# Altium PCB NBIOT水表主板.PcbDoc
Units mm, origin at the board's own origin, x right, y up, seen from the top; angles counter-clockwise.
Board outline 69.48 x 56.27 mm, 2 copper layers (Top Layer, Bottom Layer); 71 components, 78 nets, 310 pads, 175 vias.
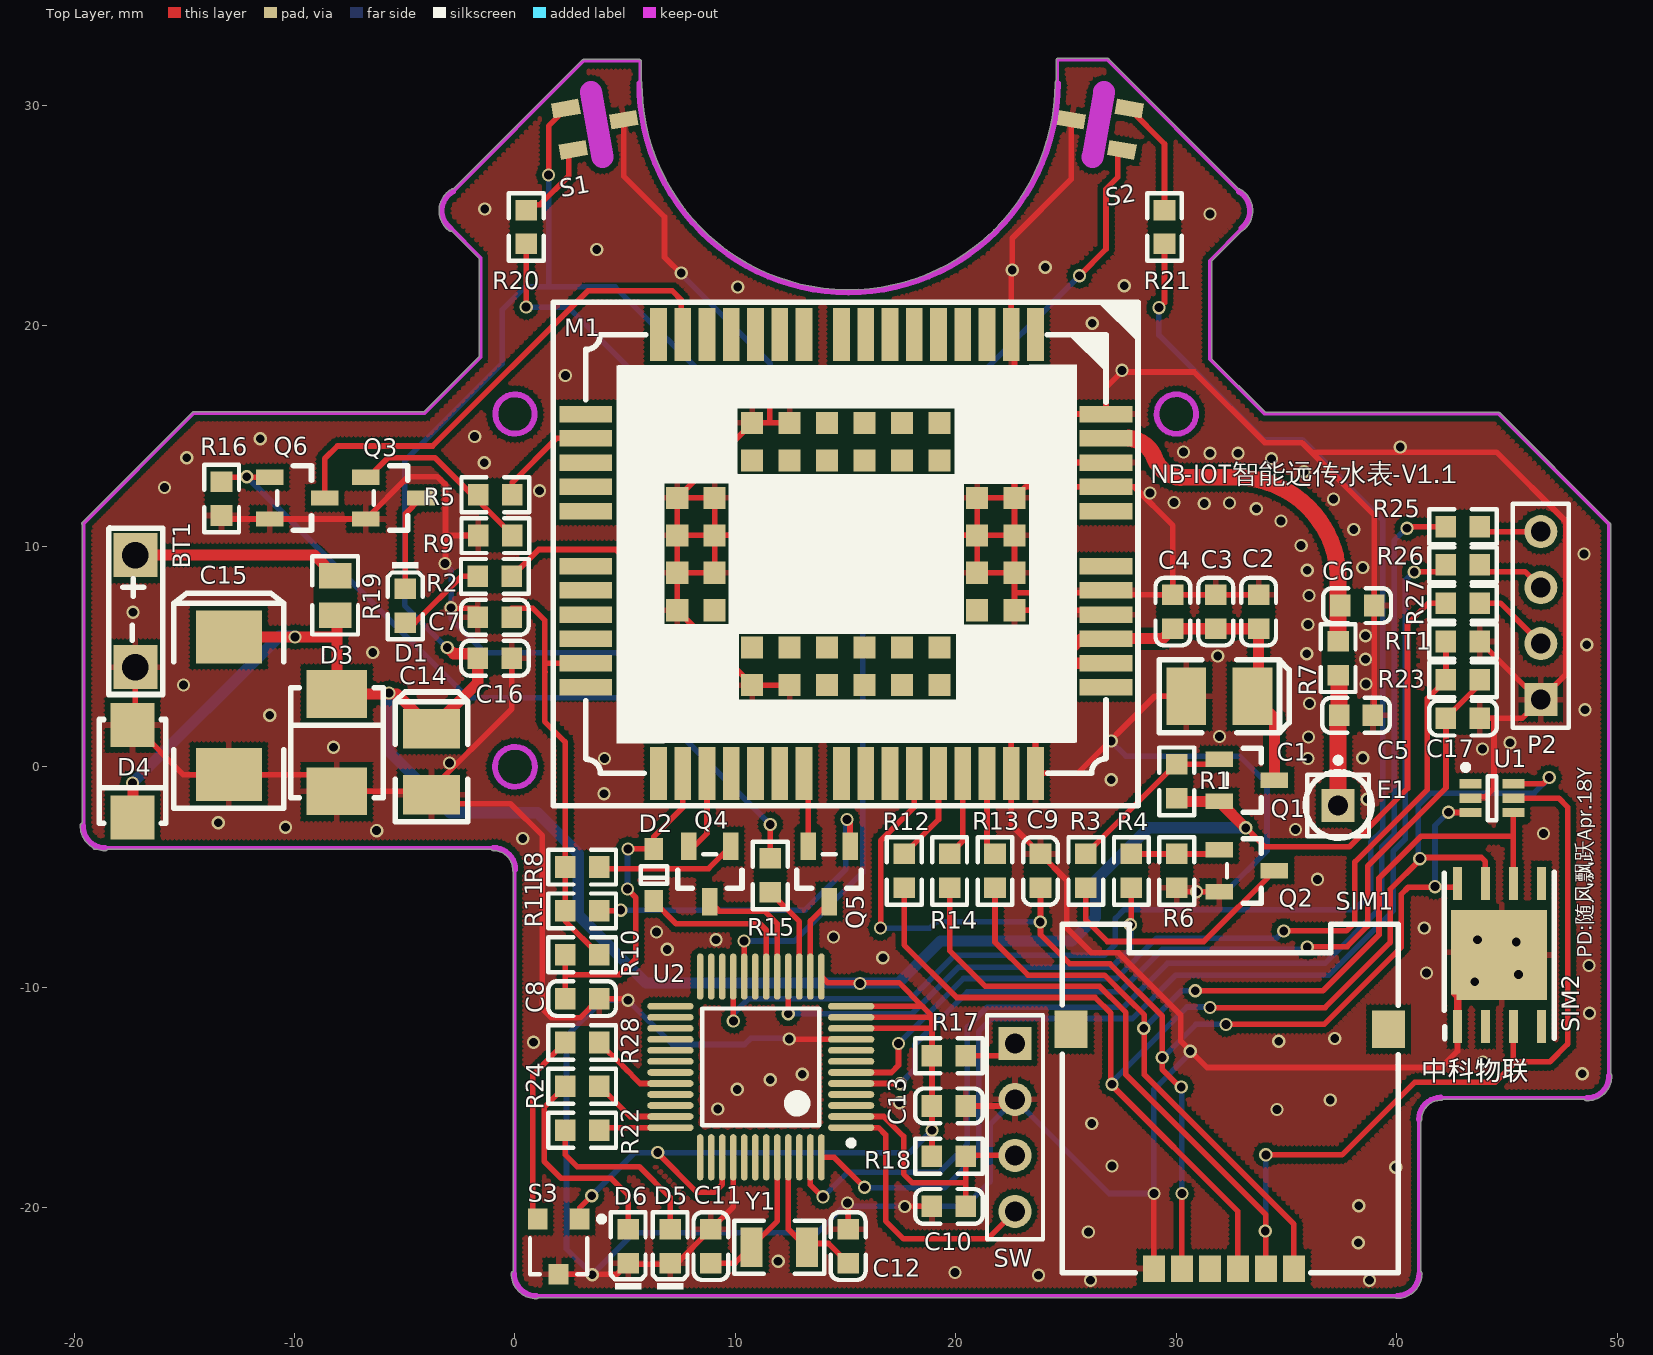
[diagram p0: Top Layer view]
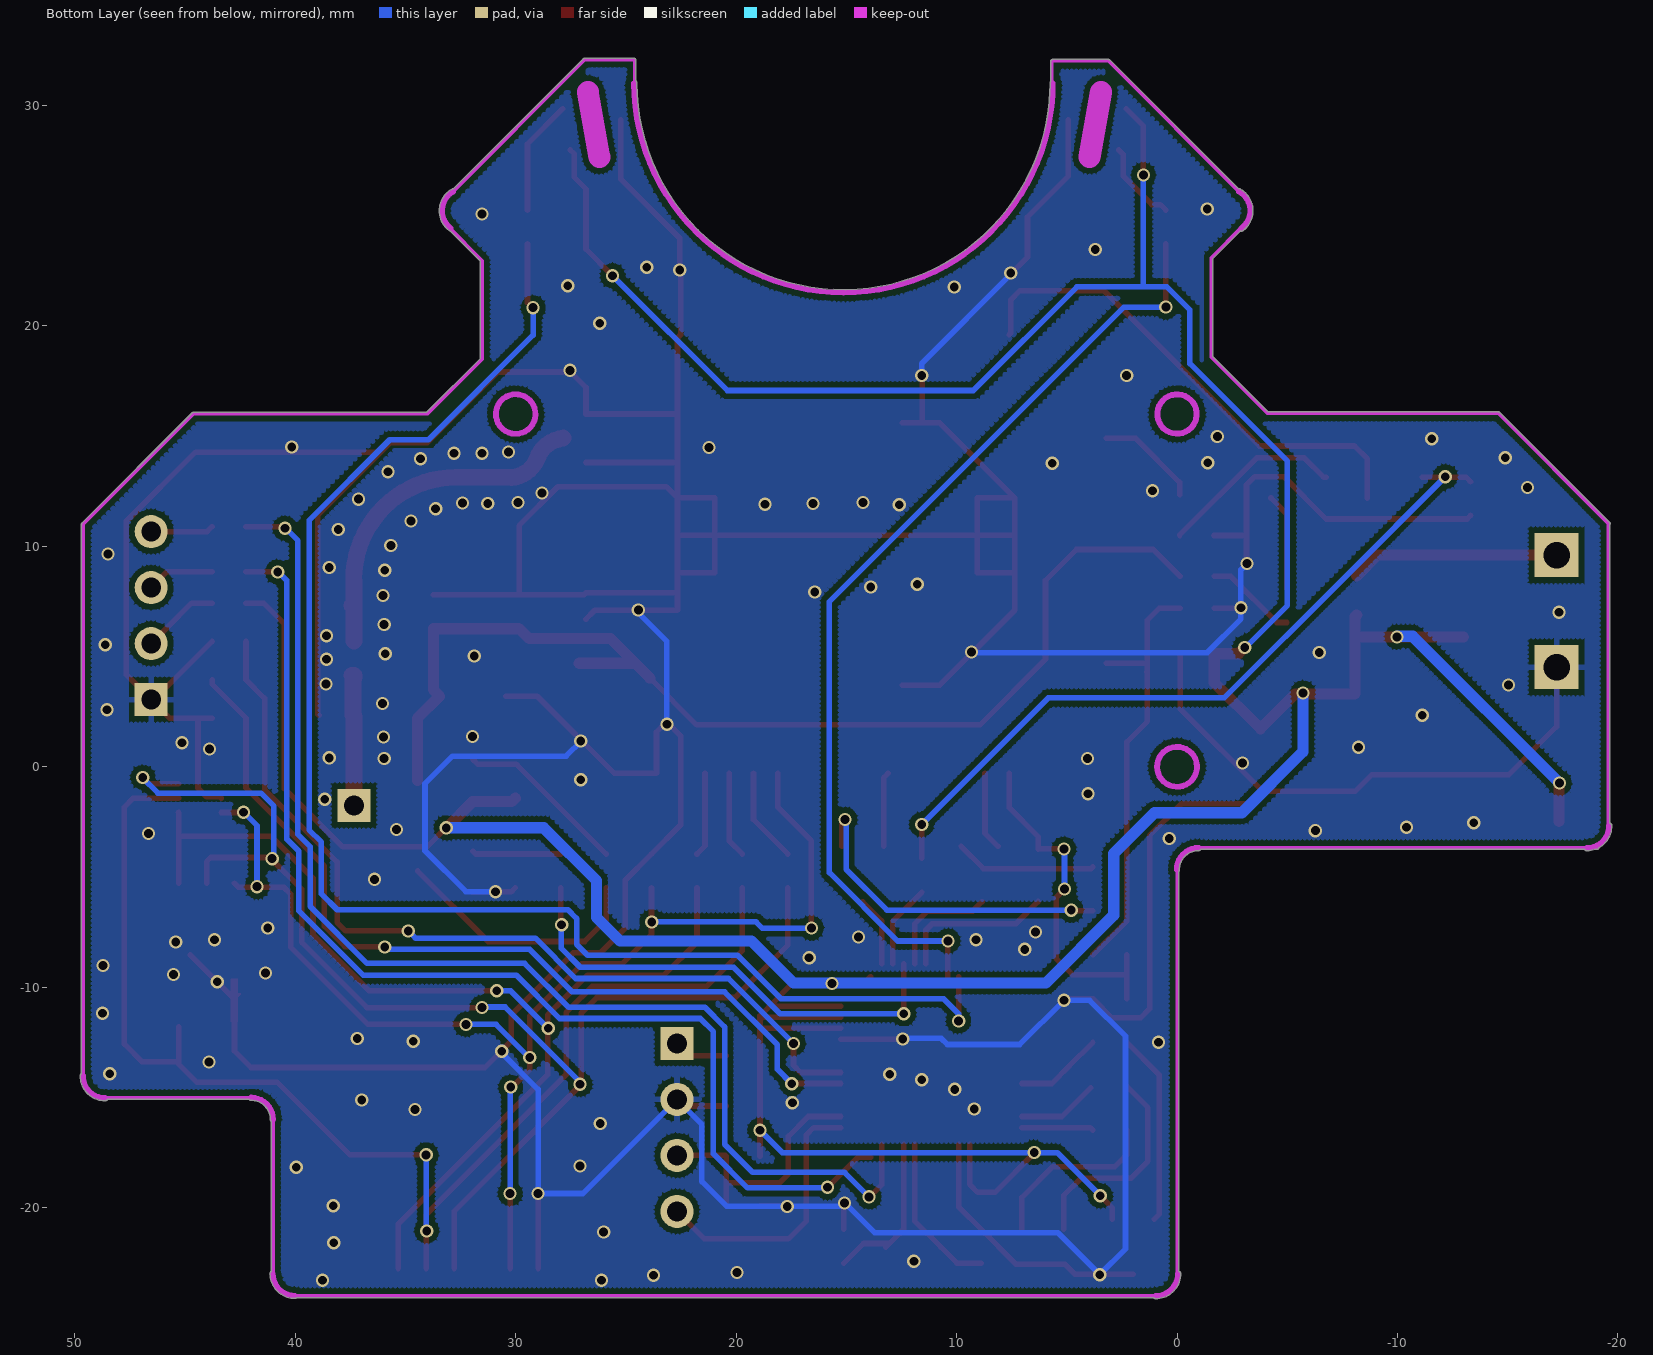
[diagram p1: Bottom Layer view, seen from below]
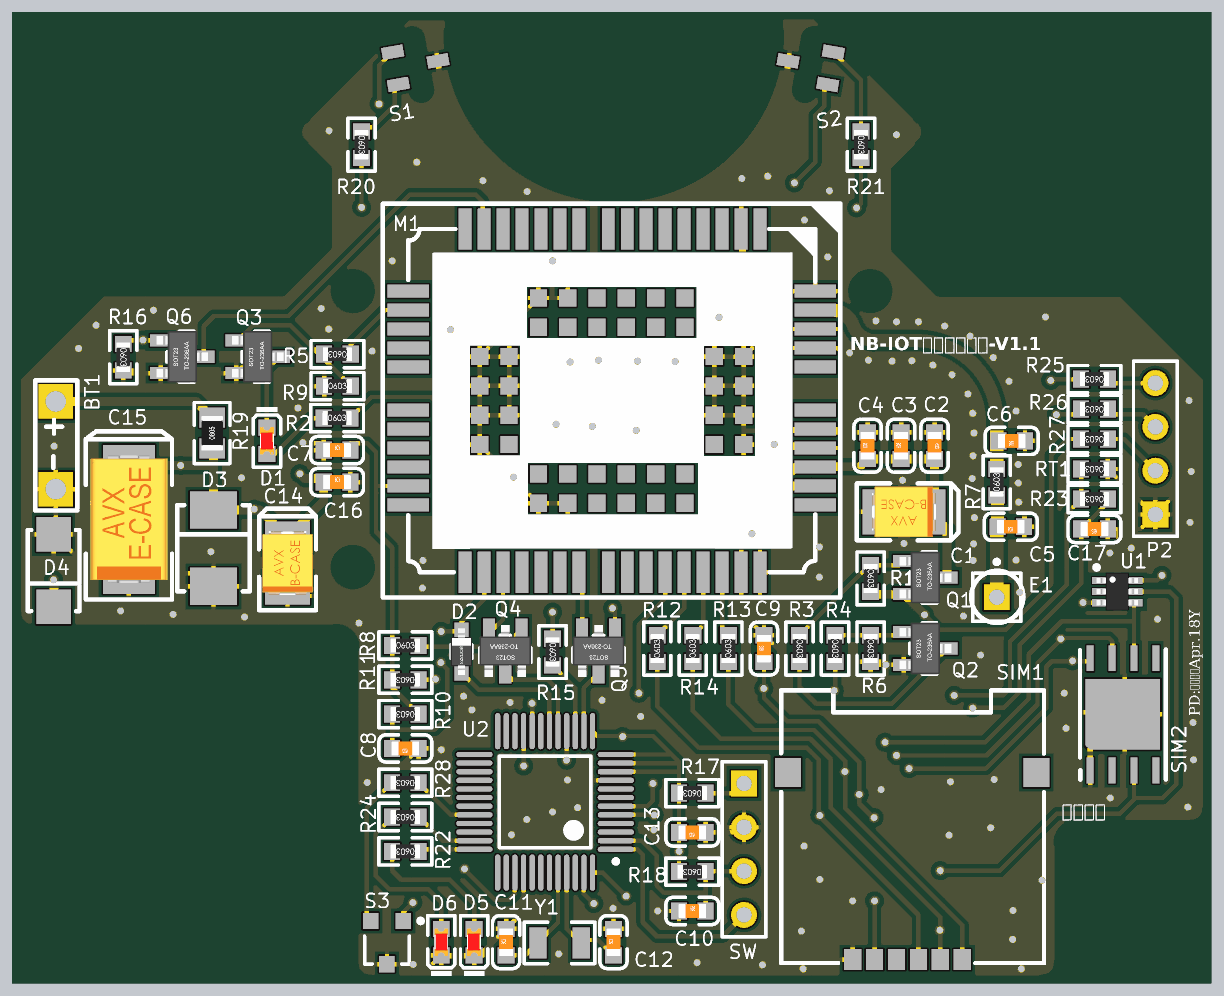
[diagram p2: 3D render of the assembled board from above, using the file's embedded part models]

## Layer stack, top to bottom
Top Layer: signal copper 0.0356
Dielectric: dielectric 0.32, FR-4, Dk 4.8
Bottom Layer: signal copper 0.0356

## Board outline
-19.059,-3.748 -18.951,-3.748 ccw(c-18.595,-2.679) -18.595,-3.806 ccw(c-18.595,-3.679) -18.488,-3.748 -1.081,-3.748 ccw(c-0.979,-3.672) -0.979,-3.799 cw(c-0.979,-4.672) -0.106,-4.672 ccw(c0.021,-4.672) -0.077,-4.753 -0.077,-22.878 ccw(c-0.037,-22.999) -0.164,-22.999 ccw(c0.963,-22.999) 0.963,-24.126 ccw(c0.963,-23.999) 1.064,-24.077 39.924,-24.077 ccw(c40.017,-23.989) 40.017,-24.116 ccw(c40.017,-22.989) 41.144,-22.989 ccw(c41.017,-22.989) 41.077,-22.877 41.077,-16.102 ccw(c41,-16) 41.127,-16 cw(c42,-16) 42,-15.127 ccw(c42,-15) 42.102,-15.077 48.512,-15.077 ccw(c48.627,-15.023) 48.627,-15.15 ccw(c48.627,-14.023) 49.755,-14.023 ccw(c49.627,-14.023) 49.696,-13.915 49.696,11.002 ccw(c49.619,11.002) 49.673,11.056 44.673,16.056 ccw(c44.619,16.002) 44.619,16.079 34.042,16.079 31.598,18.523 31.598,22.93 32.97,24.302 ccw(c32.943,24.427) 33.02,24.325 ccw(c32.34,25.224) 33.467,25.224 ccw(c32.34,25.224) 32.898,26.204 ccw(c32.835,26.093) 32.817,26.219 26.945,32.092 ccw(c26.873,32.064) 26.886,32.14 ccw(c26.86,32.067) 26.838,32.141 24.631,32.141 ccw(c24.631,32.064) 24.555,32.056 ccw(c24.613,32.029) 24.549,32.029 24.549,31.111 ccw(c24.631,31.013) 24.503,31.013 cw(c15.131,31.013) 5.765,30.668 ccw(c5.715,30.709) 5.779,30.709 ccw(c5.715,30.709) 5.762,30.752 cw(c15.131,31.013) 5.758,31.013 ccw(c5.631,31.013) 5.728,31.096 5.728,32.004 ccw(c5.664,32.004) 5.689,32.063 ccw(c5.631,32.013) 5.631,32.09 3.124,32.09 ccw(c3.124,32.013) 3.085,32.079 ccw(c3.099,32.004) 3.045,32.058 -2.794,26.219 ccw(c-2.812,26.093) -2.875,26.204 ccw(c-2.317,25.224) -2.997,24.325 ccw(c-2.921,24.427) -2.876,24.307 -1.626,23.057 -1.626,18.599 -4.121,16.104 -14.571,16.104 ccw(c-14.571,16.027) -14.625,16.081 -14.625,16.082 -19.625,11.082 ccw(c-19.571,11.027) -19.635,10.985 -19.635,-2.558 ccw(c-19.595,-2.679) -19.722,-2.679 ccw(c-18.595,-2.679) -19.135,-3.668 ccw(c-19.059,-3.672)

## Design rules (kind name [scope] priority, off if disabled: settings)
Clearance [All] p1: gap=0.254
PolygonConnect Val [isvia] p1: connectstyle=Direct reliefconductorwidth=0.254 reliefentries=4 polygonreliefangle="90 Angle"
PolygonConnect [All] p2: connectstyle=Relief reliefconductorwidth=0.254 reliefentries=4 polygonreliefangle="90 Angle"
RoutingVias [All] p1: holewidth=0.711 width=1.27 viastyle="Through Hole" minholewidth=0.3 minwidth=0.4 maxholewidth=0.711 maxwidth=1.27
SilkscreenOverComponentPads SilkToSolderMaskClearance [IsPad] p1: minsilkscreentomaskgap=0.254
SolderMaskExpansion [All] p1: expansion=0.102
TestPointUsage FabricationTestPointUsage [All] p1: valid=0 allowmultiple=FALSE
Testpoint FabricationTestpoint [All] p1: side=3 testpointundercomponent=TRUE minsize=1.016 maxsize=2.54 preferedsize=1.524 minholesize=0 maxholesize=1.016 preferedholesize=0.813 testpointgrid=0.025 style=297 order=0123456789
Width [All] p1: maxlimit=2.54 minlimit=0.254 preferedwidth=0.254
23 further rules are at their usual default settings.

## Classes and differential pairs
component class NBBC95水表: BT1 C14 C15 C16 C17 D3 D4 D5 D6 M? P2 R19 R20 R21 R22 R23 R24 R25 R26 R27 R28 RT1 S1 S2 S3
component class MCU: C10 C11 C12 C13 R17 R18 SW U2 Y1
component class NB-IOT: C1 C2 C3 C4 C5 C6 C7 C8 C9 D1 D2 E1 M1 Q1 Q2 Q3 Q4 Q5 Q6 R1 R2 R3 R4 R5 R6 R7 R8 R9 R10 R11 R12 R13 R14 R15 R16 SIM1 SIM2 U1

## Components (designator, comment, footprint, x,y, rotation, side; value= is the part's Value field where it differs from the comment)
BT1 "3.6V" 电池连接焊线 -17.221,9.601 r270 top
C1 "100uF (107) ±10% 6.3V" CASE-B_3528 31.953,3.2 r0 top
C2 "100nF (104) 10% 50V" 0603_C 33.731,7.036 r90 top
C3 "100pF (101) 5% 50V" 0603_C 31.788,7.036 r270 top
C4 "22pF (220) 5% 50V" 0603_C 29.845,7.036 r270 top
C5 "Reserved" 0603_C 38.151,2.337 r180 top
C6 "Reserved" 0603_C 38.202,7.315 r180 top
C7 "4.7uF (475) 10% 16V" 0603_C -0.914,6.782 r0 top
C8 "1nF (102) 10% 50V" 0603_C 3.048,-10.516 r180 top
C9 "100nF (104) 10% 50V" 0603_C 23.838,-4.724 r270 top
C10 "100nF (104) 10% 50V" 0603_C 19.685,-19.939 r0 top
C11 "6.8pF (6R8) 0.25pF 50V" 0603_C 8.89,-21.742 r270 top
C12 "6.8pF (6R8) 0.25pF 50V" 0603_C 15.113,-21.742 r270 top
C13 "100nF (104) 10% 50V" 0603_C 19.685,-15.384 r180 top
C14 "100uF (107) ±10% 6.3V" CASE-B_3528 -3.785,0.229 r90 top
C15 "470uF / 10V" CASE-E_7343 -12.979,2.769 r90 top
C16 "100nF (104) 10% 50V" 0603_C -0.914,4.928 r0 top
C17 "22pF (220) 5% 50V" 0603_C 43.002,2.21 r180 top
D1 "红灯 0603" 0603_LED_S1 -4.978,7.315 r270 top
D2 "1N4148WS T4" SOD-323 6.299,-4.902 r90 top
D3 "P6SMB6.8CA" SMB(DO-214AA)_S1 -8.077,1.092 r270 top
D4 "SS54" SMA(DO-214AC)_S1 -17.348,-0.203 r90 top
D5 "黄灯 0603" 0603_LED_S1 7.036,-21.742 r90 top
D6 "绿灯 0603" 0603_LED_S1 5.131,-21.742 r90 top
E1 "Antenna" PIN1 37.338,-1.753 r0 top
M1 "BC95-B5" BC95-B 15.011,9.652 r270 top
P2 "Header 4" HDR1X4 46.533,3.048 r90 top
Q1 "SI2301CDS-T1-GE3" SOT-23(SOT-23-3) 33.198,-0.61 r180 top
Q2 "SS8050 Y1" SOT-23(SOT-23-3) 33.198,-4.722 r180 top
Q3 "SS8050 Y1" SOT-23(SOT-23-3) -5.512,12.192 r180 top
Q4 "SS8050 Y1" SOT-23(SOT-23-3) 8.839,-4.862 r90 top
Q5 "SS8050 Y1" SOT-23(SOT-23-3) 14.249,-4.862 r90 top
Q6 "SS8050 Y1" SOT-23(SOT-23-3) -9.881,12.192 r180 top
R1 "470KΩ (4703) ±1%" 0603_R 30.023,-0.66 r90 top
R2 "2.2KΩ (2201) ±1%" 0603_R -0.914,8.636 r0 top
R3 "330Ω (3300) ±1%" 0603_R 25.9,-4.724 r90 top
R4 "4.7KΩ (4701) ±1%" 0603_R 27.961,-4.724 r90 top
R5 "4.7KΩ (4701) ±1%" 0603_R -0.889,12.344 r180 top
R6 "47KΩ (4702) ±1%" 0603_R 30.023,-4.724 r90 top
R7 "0Ω (0R0) ±1%" 0603_R 37.338,4.928 r270 top
R8 "4.7KΩ (4701) ±1%" 0603_R 3.048,-4.547 r0 top
R9 "47KΩ (4702) ±1%" 0603_R -0.889,10.49 r0 top
R10 "10KΩ (1002) ±1%" 0603_R 3.048,-8.526 r180 top
R11 "4.7KΩ (4701) ±1%" 0603_R 3.048,-6.536 r180 top
R12 "22Ω (22R0) ±1%" 0603_R 17.653,-4.724 r270 top
R13 "22Ω (22R0) ±1%" 0603_R 21.776,-4.724 r270 top
R14 "22Ω (22R0) ±1%" 0603_R 19.715,-4.724 r270 top
R15 "4.7KΩ (4701) ±1%" 0603_R 11.582,-4.927 r90 top
R16 "47KΩ (4702) ±1%" 0603_R -13.31,12.169 r90 top
R17 "1KΩ (1001) ±1%" 0603_R 19.685,-13.106 r180 top
R18 "47KΩ (4702) ±1%" 0603_R 19.685,-17.661 r180 top
R19 "0Ω (0R0) ±1%" 0805_R -8.153,7.772 r270 top
R20 "1KΩ (1001) ±1%" 0603_R 0.508,24.486 r90 top
R21 "1KΩ (1001) ±1%" 0603_R 29.464,24.486 r90 top
R22 "2.2KΩ (2201) ±1%" 0603_R 3.048,-16.485 r180 top
R23 "10KΩ (1002) ±1%" 0603_R 43.002,3.947 r180 top
R24 "2.2KΩ (2201) ±1%" 0603_R 3.048,-14.495 r180 top
R25 "1KΩ (1001) ±1%" 0603_R 43.002,10.897 r180 top
R26 "1KΩ (1001) ±1%" 0603_R 43.002,9.159 r180 top
R27 "1KΩ (1001) ±1%" 0603_R 43.002,7.422 r180 top
R28 "1KΩ (1001) ±1%" 0603_R 3.048,-12.505 r180 top
RT1 "NCP18XH103F03RB" 0603_R 43.002,5.685 r180 top
S1 "Hall" 霍尔转接板 3.708,29.134 r190 top
S2 "Hall" 霍尔转接板 26.467,29.134 r350 top
S3 "S5712BCDL1-M3T1-U" SOT-23 1.981,-21.768 r180 top
SIM1 "MicroSIM" SIM-01A 28.981,-22.758 r0 top
SIM2 "SMDSIM" VQFN48 44.577,-8.534 r90 top
SW "Header 4" HDR1X4 22.682,-12.548 r270 top
U1 "SMF05CT1G" SC-70-6(SOT-363) 44.323,-1.422 r0 top
U2 "STM8L151C8T6" LQFP48_M 11.151,-13.614 r180 top
Y1 "32.768KHz ±20ppm 12.5pF" "SMD-3215_2P FC - 135" 11.989,-21.788 r180 top

## Footprints (in the part's own frame and the unit in brackets; to place one, negate y for a bottom-side part, rotate by r counter-clockwise, add the part's x,y. Pads: shape width x height; smd on the part's side, far side on the other; paste and mask are expansions set on the pad)
0603_C [mm]
  rect 0.93x0.98 smd: 1(-0.77,0) 2(0.77,0)
  silkscreen extent -1.53,-0.79 1.54,0.79, body extent -0.8,-0.4 0.8,0.4, height 0.3
0603_LED_S1 [mm]
  rect 0.93x0.98 smd: A(0.77,0) K(-0.77,0)
  silkscreen extent -1.98,-0.79 1.54,0.79, body extent -0.8,-0.4 0.8,0.4, height 0.6
0603_R [mm]
  rect 0.93x0.98 smd: 1(-0.77,0) 2(0.77,0)
  silkscreen extent -1.53,-0.79 1.54,0.79, body extent -0.85,-0.4 0.85,0.4, height 0.56
0805_R [mm]
  rect 1.16x1.47 smd: 1(-0.89,0) 2(0.89,0)
  silkscreen extent -1.77,-1.04 1.77,1.03, body extent -1,-0.62 1,0.63, height 0.49
BC95-B [mm] "BC95 NB-IOT模块"
  rect 2.4x0.75 smd: 1(-9.95,8.6) 2(-9.95,7.5) 3(-9.95,6.4) 4(-9.95,5.3) 5(-9.95,4.2) 6(-9.95,3.1) 7(-9.95,2) 8(-9.95,0.9) 9(-9.95,-0.2) 10(-9.95,-1.9) 11(-9.95,-3) 12(-9.95,-4.1) 13(-9.95,-5.2) 14(-9.95,-6.3) 15(-9.95,-7.4) 16(-9.95,-8.5) 28(9.95,-8.5) 29(9.95,-7.4) 30(9.95,-6.3) 31(9.95,-5.2) 32(9.95,-4.1) 33(9.95,-3) 34(9.95,-1.9) 35(9.95,-0.2) 36(9.95,0.9) 37(9.95,2) 38(9.95,3.1) 39(9.95,4.2) 40(9.95,5.3) 41(9.95,6.4) 42(9.95,7.5) 43(9.95,8.6)
  rect 0.75x2.4 smd: 17(-6.35,-11.8) 18(-5.25,-11.8) 19(-4.15,-11.8) 20(-3.05,-11.8) 21(-1.95,-11.8) 22(0.55,-11.8) 23(1.65,-11.8) 24(2.75,-11.8) 25(3.85,-11.8) 26(4.95,-11.8) 27(6.05,-11.8) 44(6.05,11.8) 45(4.95,11.8) 46(3.85,11.8) 47(2.75,11.8) 48(1.65,11.8) 49(0.55,11.8) 50(-1.95,11.8) 51(-3.05,11.8) 52(-4.15,11.8) 53(-5.25,11.8) 54(-6.35,11.8)
  rect 1x1 smd: 55(-5.95,4.25) 56(-5.95,2.55) 57(-5.95,0.85) 58(-5.95,-0.85) 59(-5.95,-2.55) 60(-5.95,-4.25) 61(-2.55,-7.65) 62(-0.85,-7.65) 63(0.85,-7.65) 64(2.55,-7.65) 65(5.95,-4.25) 66(5.95,-2.55) 67(5.95,-0.85) 68(5.95,0.85) 69(5.95,2.55) 70(5.95,4.25) 71(2.55,7.65) 72(0.85,7.65) 73(-0.85,7.65) 74(-2.55,7.65) 75(-4.25,4.25) 76(-4.25,2.55) 77(-4.25,0.85) 78(-4.25,-0.85) 79(-4.25,-2.55) 80(-4.25,-4.25) 81(-2.55,-5.95) 82(-0.85,-5.95) 83(0.85,-5.95) 84(2.55,-5.95) 85(4.25,-4.25) 86(4.25,-2.55) 87(4.25,-0.85) 88(4.25,0.85) 89(4.25,2.55) 90(4.25,4.25) 91(2.55,5.95) 92(0.85,5.95) 93(-0.85,5.95) 94(-2.55,5.95)
  silkscreen extent -11.43,-13.27 11.42,13.28
CASE-B_3528 [mm]
  rect 1.8x2.6 smd: 1(1.5,0) 2(-1.5,0)
  silkscreen extent -2.73,-1.65 3.16,1.65, body extent -1.85,-1.47 1.85,1.46, height 2.03
CASE-E_7343 [mm]
  rect 2.4x3 smd: 1(3.12,0) 2(-3.12,0)
  silkscreen extent -4.65,-2.5 5.1,2.5, body extent -3.7,-2.23 3.7,2.22, height 4.2
HDR1X4 [mm] "Connector; Header; 4 Position"
  rect 1.5x1.5 hole 0.9: 1(0,0)
  round 1.5 hole 0.9: 2(2.54,0) 3(5.08,0) 4(7.62,0)
  silkscreen extent -1.27,-1.27 8.89,1.27
LQFP48_M [mm] "Thin QFP, 48-Leads, Body 7x7mm, Pitch 0.5mm, IPC Low Density"
  oval 2.1x0.3 smd: 1(-4.1,2.75) 2(-4.1,2.25) 3(-4.1,1.75) 4(-4.1,1.25) 5(-4.1,0.75) 6(-4.1,0.25) 7(-4.1,-0.25) 8(-4.1,-0.75) 9(-4.1,-1.25) 10(-4.1,-1.75) 11(-4.1,-2.25) 12(-4.1,-2.75) 25(4.1,-2.75) 26(4.1,-2.25) 27(4.1,-1.75) 28(4.1,-1.25) 29(4.1,-0.75) 30(4.1,-0.25) 31(4.1,0.25) 32(4.1,0.75) 33(4.1,1.25) 34(4.1,1.75) 35(4.1,2.25) 36(4.1,2.75)
  oval 0.3x2.1 smd: 13(-2.75,-4.1) 14(-2.25,-4.1) 15(-1.75,-4.1) 16(-1.25,-4.1) 17(-0.75,-4.1) 18(-0.25,-4.1) 19(0.25,-4.1) 20(0.75,-4.1) 21(1.25,-4.1) 22(1.75,-4.1) 23(2.25,-4.1) 24(2.75,-4.1) 37(2.75,4.1) 38(2.25,4.1) 39(1.75,4.1) 40(1.25,4.1) 41(0.75,4.1) 42(0.25,4.1) 43(-0.25,4.1) 44(-0.75,4.1) 45(-1.25,4.1) 46(-1.75,4.1) 47(-2.25,4.1) 48(-2.75,4.1)
  silkscreen extent -4.23,-2.65 2.65,3.57, body extent -3.5,-3.5 3.5,3.5, height 1.6
PIN1 [mm] "Generic Antenna; 1 Lead"
  rect 1.5x1.5 hole 0.9: 1(0,0)
  silkscreen extent -1.4,-1.4 1.4,2.17
SC-70-6(SOT-363) [mm]
  rect 1x0.42 smd mask+0.051: 1(-0.97,0.65) 2(-0.97,0) 3(-0.97,-0.65) 4(0.97,-0.65) 5(0.97,0) 6(0.97,0.65)
  silkscreen extent -1.32,-1 0.2,1.52, body extent -1.2,-1.1 1.2,1.1, height 1.1
SIM-01A [mm] "MicroSIM翻盖 卡座"
  rect 1.5x1.7 smd: 0(-3.75,10.85) 0(10.65,10.85)
  rect 1x1.2 smd: 1(0,0) 2(1.27,0) 3(2.54,0) 4(3.81,0) 5(5.08,0) 6(6.35,0)
  silkscreen extent -4.15,-0.2 11.09,15.62
SMA(DO-214AC)_S1 [mm]
  rect 2x2 smd: 1(2.1,0) 2(-2.1,0)
  silkscreen extent -2.35,-1.5 2.35,1.5
SMB(DO-214AA)_S1 [mm]
  rect 2.159x2.743 smd: 1(2.21,0) 2(-2.21,0)
  silkscreen extent -2.5,-2.1 2.5,2.1
"SMD-3215_2P FC - 135" [mm]
  rect 1x1.8 smd: 1(-1.25,0) 2(1.25,0)
  silkscreen extent -2.05,-1.2 2.05,1.2
SOD-323 [mm]
  rect 1x0.83 smd: 1(1.18,0) 2(-1.18,0)
  silkscreen extent -0.4,-0.6 0.4,0.6, body extent -1.35,-0.62 1.35,0.63, height 1.1
SOT-23 [mm] "SOT-23; 3 Leads; Body 3.0 x 2.6 mm, inc. leads (LxW max)"
  rect 0.9x0.95 smd: 1(-0.95,-1.25) 2(0.95,-1.25) 3(0,1.25)
  silkscreen extent -2.08,-1.37 1.3,1.25
SOT-23(SOT-23-3) [mm]
  rect 1.25x0.7 smd: 1(1.25,-0.95) 2(1.25,0.95) 3(-1.25,0)
  silkscreen extent -0.65,-1.46 0.9,1.46, body extent -1.5,-1.5 1.5,1.5, height 1.3
VQFN48 [mm] "SMD卡封装"
  rect 1.5x0.4 smd: 1(-3.25,1.825) 2(-3.25,0.555) 3(-3.25,-0.715) 4(-3.25,-1.985) 5(3.25,-1.985) 6(3.25,-0.715) 7(3.25,0.555) 8(3.25,1.825)
  rect 4.1x4.1 smd: 1(0,-0.185)
  rect 3.85x0.25 smd: 1(0.125,1.985)
  Top Layer region: -2.05,1.865 -1.81,2.105 -1.71,2.105 -1.78,1.715
  silkscreen extent -3.79,-2.56 3.75,2.41
电池连接焊线 [mm]
  rect 2x2 hole 1.2: 1(0,0) 2(5.08,0)
  silkscreen extent -1.24,-1.2 6.32,1.25
霍尔转接板 [mm]
  rect 1.25x0.7 smd: 1(1.25,-0.95) 2(1.25,0.95) 3(-1.25,0)
  Keep-Out Layer lines w1: 0,-1.5 0,1.5

## Part data
BT1: library part Battery, "功率型锂电池"
C1 C14: library part "3528 100uF (107) 10% 6.3V", "钽电容"
C2 C9 C10 C13 C16: library part "0603 100nF (104) 10% 50V", "贴片电容"
C3: library part "0603 100pF (101) 5% 50V", "贴片电容"
C4 C5 C6 C17: library part "0603 22pF (220) 5% 50V", "贴片电容"
C7: library part "0603 4.7uF (475) 10% 16V", "贴片电容"
C8: library part "0603 1nF (102) 10% 50V", "贴片电容"
C11 C12: library part "0603 6.8pF (6R8) 0.25pF 50V", "贴片电容"
C15: library part "法拉电容 0.5F", "钽电容"
D1: library part "0603 红灯", "发光二极管"
D2: library part "SOD-323 1N4148WS T4", "二极管"
D3: library part "SMB/DO-214AA P6SMB6.8CA", "TVS"
D4: library part "SMA(DO-214AC) SS54", "二极管"
D5: library part "0603 黄灯", "发光二极管"
D6: library part "0603 绿灯", "发光二极管"
E1: "Generic Antenna"
M1: "NB-IOT模块 电信"
P2 SW: "Header, 4-Pin"
Q1: "MOS(场效应管)"
Q2 Q3 Q4 Q5 Q6: library part "SOT-23 SS8050 Y1", "三极管"
R1: library part "0603 470KΩ (4703) 1%", "贴片电阻"
R2 R22 R24: library part "0603 2.2KΩ (2201) 1%", "贴片电阻"
R3: library part "0603 330Ω (3300) 1%", "贴片电阻"
R4 R5 R8 R11 R15: library part "0603 4.7KΩ (4701) 1%", "贴片电阻"
R6 R9 R16: library part "0603 47KΩ (4702) 1%", "贴片电阻"
R7: library part "0603 0Ω (0R0) 1%", "贴片电阻"
R10 R23: library part "0603 10KΩ (1002) 1%", "贴片电阻"
R12 R13 R14: library part "0603 22Ω (22R0) 1%", "贴片电阻"
R17 R20 R21 R25 R26 R27 R28: library part "0603 1KΩ (1001) 1%", "贴片电阻"
R18: library part "0603 100KΩ (1003) 1%", "贴片电阻"
R19: library part "0805 0Ω (0R0) 1%", "贴片电阻"
RT1: "热敏电阻"
S1 S2: library part 霍尔开关转接板, "霍尔开关转接板"
S3: library part S5712
SIM1: "MicroSIM卡座"
SIM2: "SMDSIMоƬ"
U1: "TVS"
U2: "STM8L ARM-based EnergyLite 8-bit MCU, 64 kB Flash, 4 kB Internal RAM, -40 to +85癈 Temperature, 48-pin LQFP, Tray"
Y1: library part "SMD-3215_2P 32.768KHz 20ppm 12.5pF", "贴片晶振"

## Via types
v1: diameter 0.6, hole 0.4, Top Layer to Bottom Layer, tented both sides, 175 vias

## Nets (pads, with @x,y where several pads share a name; then routed paths per layer and width w, separated by ;. In a path a pad name is that pad's centre, name@x,y a point inside that pad or via, vN(x,y) a via of type N, cw(c..) or ccw(c..) an arc to the next point about the centre after c; other vN are vias at no path point)
GND: BT1.2 C1.2 C2.2 C3.1 C4.1 C5.1 C6.1 C7.1 C8.1 C9.1 C10.1 C11.1 C12.1 C13.1 C14.2 C15.2 C16.2 C17.1 D3.1 D4.1 D5.K D6.K M1.2 M1.42 M1.43 M1.47 M1.48 M1.51 M1.52 M1.54 M1.59 M1.60 M1.61 M1.62 M1.63 M1.64 M1.65 M1.66 M1.71 M1.72 M1.73 M1.74 M1.81 M1.82 M1.83 M1.92 M1.93 M1.94 P2.1 Q2.2 Q3.2 Q6.2 R6.1 R9.1 R16.1 RT1.1 S1.3 S2.3 S3.3 SIM1.1 SIM2.1 SW.2 U1.2 U2.9 U2.40 | length 414.9
  Top Layer w0.254: BT1.2 -17.221,1.821 -15.049,-0.351 -8.844,-0.351 D3.1 -3.892,-1.118 -0.144,2.63 C16.2@-0.144,5.131 ; R16.1 -13.152,11.242 Q6.2 Q3.2 -4.847,13.157 -3.513,13.157 -3.15,12.794 -3.15,10.516 ; C14.2 -3.38,-1.676 -0.203,-1.676 1.245,-3.124 1.245,-10.976 1.655,-11.387 2.947,-11.387 C8.1 5.055,-10.516 v1(5.131,-10.592) ; v1(-3.175,9.22) -3.15,9.246 -3.15,10.516 ; v1@-2.896,7.188 C7.1@-1.684,7.188 ; R9.1 -3.124,10.49 -3.15,10.516 ; S3.3 4.625,-23.018 5.08,-22.563 7.299,-22.563 C11.1 9.901,-19.962 U2.40@9.901,-17.13 ; S1.3 4.939,26.785 5.828,25.897 6.782,24.943 6.782,23.114 7.595,22.301 v1@7.595,22.403 ; v1@11.557,17.729 11.557,15.602 ; v1@12.451,-12.364 U2.9 ; M1.66 M1.65 M1.64 M1.63 ; M1.59 11.557,15.602 ; C12.1 v1@15.113,-19.787 ; v1@17.729,-19.939 C10.1 ; C13.1 22.386,-15.384 SW.2 ; v1@22.511,22.53 M1.2 22.661,19.452 22.661,15.977 ; v1(22.555,22.53) 22.555,23.978 25.236,26.658 S2.3 ; 22.661,14.021 M1.74 ; M1.74@22.804,12.344 M1.74 ; M1.47@26.811,6.702 26.411,7.102 M1.71 22.661,7.95 ; M1.52 22.697,13.802 22.661,13.767 22.661,15.977 ; SIM1.1 v1@28.981,-19.38 ; C4.1 29.845,10.947 28.09,12.702 M1.51 23.161,12.702 M1.74 ; R6.1 30.2,-5.672 Q2.2 ; C1.2 29.024,3.2 25.525,-0.298 M1.43 23.611,1.585 23.241,1.956 23.063,1.956 22.511,1.404 M1.42 22.511,-2.628 C9.1 25.029,-5.145 25.029,-7.31 26.151,-8.433 27.381,-8.433 30.201,-11.252 30.201,-12.446 31.394,-13.64 42.012,-13.64 42.752,-12.899 42.752,-11.784 42.752,-10.544 SIM2.1@44.762,-8.534 ; C2.2 26.908,7.806 26.811,7.902 22.71,7.902 22.661,7.95 ; C5.1 38.972,2.388 C6.1 38.972,11.422 36.119,14.275 ; U1.2 43.412,-1.363 44.011,-1.363 44.412,-0.962 44.412,2.21 ; C17.1 44.412,2.21 ; RT1.1 46.409,3.048 P2.1 ; P2.1@46.533,2.591 P2.1 ; M1.63 M1.83 M1.82 ; M1.63 M1.62 ; M1.62 M1.61 ; M1.62 M1.82 ; M1.61 M1.60 11.557,15.602 ; M1.61 M1.81 M1.82 ; M1.82 M1.93 ; M1.93 M1.92 M1.72 ; M1.93 M1.94 M1.74 ; M1.93 M1.73 ; 22.661,7.95 M1.72 ; M1.72 M1.73 ; M1.72 M1.73 ; M1.73 M1.74 ; 22.661,15.977 22.687,16.002 M1.54 26.811,17.21 27.508,17.907 30.81,17.907 34.011,14.707 35.687,14.707 36.119,14.275 ; 36.119,14.275 44.525,14.275 47.664,11.136 47.664,4.179 P2.1 ; 44.412,2.21 45.695,2.21 P2.1
  Bottom Layer w0.254: v1(-3.175,9.22) -2.896,8.941 v1(-2.896,7.214) -2.896,6.706 -1.372,5.182 v1@9.347,5.182 ; v1(3.505,-23.038) 2.337,-21.869 2.337,-12.217 3.962,-10.592 v1(5.131,-10.592) 7.137,-12.598 10.414,-12.598 10.693,-12.319 v1@12.446,-12.319 ; v1@3.531,-23.012 5.41,-21.133 13.716,-21.133 14.91,-19.939 v1(17.678,-19.939) 20.422,-19.939 21.551,-18.809 21.551,-16.219 SW.2 26.949,-19.355 v1(28.981,-19.355) 28.981,-14.63 30.632,-12.979 v1(30.632,-12.903) ; v1@7.455,22.415 11.582,18.288 v1(11.582,17.755) ; v1(23.139,1.93) 23.139,5.69 24.435,6.985 v1(24.435,7.112) ; v1@27,1.194 27.711,0.483 32.868,0.483 34.112,-0.762 34.112,-3.81 32.258,-5.664 v1(30.912,-5.664)
  other v1: 26.111,-23.292 38.76,-23.292 23.749,-23.063 19.964,-22.936 11.938,-22.428 38.252,-21.59 26.01,-21.107 38.278,-19.914 15.088,-19.787 39.954,-18.161 27.076,-18.11 26.162,-16.18 34.569,-15.545 9.195,-15.519 17.45,-15.24 36.982,-15.113 10.084,-14.63 11.582,-14.199 13.03,-13.945 48.412,-13.919 43.917,-13.386 0.838,-12.497 34.646,-12.446 12.446,-12.344 37.186,-12.319 48.743,-11.176 43.536,-9.754 45.517,-9.423 41.351,-9.347 48.717,-9.017 16.688,-8.661 6.909,-8.28 45.415,-7.95 9.119,-7.849 43.663,-7.849 14.453,-7.722 6.426,-7.493 41.25,-7.315 36.398,-5.105 0.356,-3.251 46.66,-3.023 -6.274,-2.896 35.408,-2.845 -10.414,-2.743 -13.462,-2.54 38.659,-1.473 4.039,-1.219 27.051,-0.584 -2.972,0.178 4.064,0.381 35.966,0.381 38.456,0.406 43.891,0.813 -8.23,0.889 45.136,1.092 27.051,1.168 35.992,1.346 31.953,1.372 -11.125,2.337 48.539,2.591 36.043,2.87 -15.037,3.708 38.608,3.759 38.583,4.877 31.877,5.029 35.916,5.131 -6.452,5.182 9.322,5.207 48.616,5.537 38.583,5.944 35.966,6.452 -17.323,7.01 36.017,7.772 16.434,7.925 13.894,8.153 11.786,8.28 35.941,8.915 38.456,9.042 48.489,9.652 35.662,10.033 38.049,10.77 34.747,11.151 33.63,11.709 12.598,11.887 18.694,11.913 16.51,11.938 31.267,11.938 32.41,11.963 14.249,11.989 29.896,11.989 37.135,12.141 28.804,12.421 1.118,12.522 -15.9,12.675 35.789,13.386 5.664,13.767 -1.397,13.792 34.315,13.97 -14.884,14.021 31.521,14.224 32.791,14.224 30.328,14.275 21.234,14.478 40.157,14.503 -11.557,14.884 -1.829,14.986 2.286,17.755 27.534,17.983 26.187,20.117 10.109,21.768 27.635,21.819 7.544,22.403 24.054,22.657 3.708,23.47 31.521,25.07 -1.372,25.298
NetBT1_1: BT1.1 R19.1 | length 9.5
  Top Layer w0.508: BT1.1 -9.092,9.601 R19.1
NetC1_1: C1.1 C2.1 C3.2 C4.2 M1.45 M1.46 Q1.3 R2.2 | length 51.4
  Top Layer w0.254: R2.2 1.078,9.858 4.569,9.858 5.969,8.458 5.969,4.877 8.941,1.905 21.793,1.905 23.914,4.026
  Top Layer w0.508: 23.914,4.026 25.705,5.817 29.396,5.817 C4.2 C2.1 33.731,3.478 C1.1 34.448,2.206 Q1.3 ; 24.689,4.699 M1.45@27.116,4.699
NetC5_2: C5.2 E1.1 R7.2 | length 6.1
  Top Layer w0.762: R7.2@37.338,4.056 R7.2@37.44,4.158 ; R7.2 37.381,4.115 C5.2 37.338,2.294 E1.1 E1.1@37.381,-1.71
NetC6_2: C6.2 M1.53 R7.1 | length 17
  Top Layer w0.762: M1.53@27.838,14.91 cw(c27.689,13.485) 28.969,14.129 ; 28.965,14.125 ccw(c30.337,14.537) 30.188,13.113 ; 30.15,13.132 32.69,13.132 ; 32.741,13.132 cw(c32.7,8.484) 37.348,8.51 ; R7.1 37.338,8.465 ; R7.1@37.338,6.052 37.338,7.222 C6.2
NetC7_2: C7.2 M1.26 R8.1 R10.1 R11.2 | length 19.8
  Top Layer w0.254: C7.2@-0.144,7.188 0.813,7.188 1.346,6.655 1.346,4.674 1.346,4.648 ; 1.362,4.302 1.346,4.318 ; M1.26 1.4,4.702 1.346,4.648 ; R10.1 2.278,-6.986 R11.2 R8.1 2.278,1.126 1.346,2.057 1.346,4.318 ; 1.346,4.318 1.346,4.648
NetC8_2: C8.2 D2.1 M1.29 R10.2 | length 16.1
  Top Layer w0.254: C8.2@2.278,-10.066 C8.2 2.278,-9.423 ; R10.2 2.278,-9.423 ; v1@5.131,-5.588 5.482,-5.939 5.482,-8.687 4.745,-9.423 2.278,-9.423 ; v1@5.17,-3.722 D2.1 ; D2.1@6.299,-3.748 D2.1 ; M1.29 7.611,-1.854 6.299,-3.166 D2.1
  Bottom Layer w0.254: v1(5.105,-5.537) 5.105,-3.759 v1(5.131,-3.734)
NetC9_2: C9.2 M1.38 SIM1.2 SIM2.8 U1.3 | length 58.8
  Top Layer w0.254: v1(16.586,-7.315) 16.586,-3.353 18.111,-1.828 M1.38 ; C9.2 23.838,-7.607 25.171,-8.941 27,-8.941 29.362,-11.303 v1(29.362,-13.183) 29.362,-13.723 v1@30.197,-14.558 ; SIM1.2 v1(30.251,-19.355) v1@30.251,-19.329 ; v1(32.258,-11.684) 36.703,-11.684 40.208,-8.179 40.208,-5.773 40.52,-5.461 42.575,-5.461 SIM2.8 ; v1@42.266,-2.072 U1.3
  Bottom Layer w0.254: v1(16.586,-7.315) 18.821,-7.315 19.101,-7.036 v1(23.825,-7.036) ; v1(29.362,-13.183) 29.388,-13.183 30.886,-11.684 v1(32.258,-11.684) ; v1(30.226,-14.529) 30.251,-14.554 v1(30.251,-19.355) ; v1(41.732,-5.436) 41.732,-2.667 v1(42.342,-2.057)
NetC11_2: C11.2 U2.44 Y1.2 | length 7.3
  Top Layer w0.254: C11.2 9.989,-22.512 10.713,-21.788 11.901,-20.601 U2.44 U2.44@11.901,-17.13
NetC12_2: C12.2 U2.45 Y1.1 | length 7.4
  Top Layer w0.254: U2.45@12.401,-17.13 U2.45 12.401,-20.976 Y1.1@13.048,-21.623 ; Y1.1@13.213,-21.788 Y1.1@13.048,-21.623 ; C12.2 14.224,-21.623 Y1.1@13.048,-21.623
NetC17_2: C17.2 R23.1 U2.5 | length 40.3
  Top Layer w0.254: U2.5 17.489,-14.364 v1@17.501,-14.376 ; v1@35.966,-8.153 37.033,-8.153 37.744,-8.153 38.674,-7.224 38.674,-4.511 42.232,-0.953 C17.2 43.772,3.75 R23.1
  Bottom Layer w0.254: v1(17.475,-14.376) 18.136,-13.716 18.136,-12.598 20.523,-10.211 27.432,-10.211 29.362,-8.28 35.839,-8.28 v1(35.941,-8.179)
NetD1_A: D1.A R2.1 | length 4.2
  Top Layer w0.254: D1.A -4.527,6.545 -2.436,8.636 R2.1
NetD1_K: D1.K Q3.3 | length 4.4
  Top Layer w0.254: D1.K -4.978,11.475 Q3.3
NetD2_2: D2.2 U2.18 | length 7.2
  Top Layer w0.254: D2.2@6.299,-6.108 7.31,-7.118 11.106,-7.118 11.401,-7.413 U2.18@11.401,-8.93
NetD5_A: D5.A R22.2 | length 8.2
  Top Layer w0.254: R22.2 2.278,-17.594 2.819,-18.136 5.639,-18.136 7.036,-19.533 D5.A@7.036,-21.023
NetD6_A: D6.A R24.2 | length 9.8
  Top Layer w0.254: R24.2 1.321,-15.452 1.321,-17.892 2.098,-18.669 4.369,-18.669 5.131,-19.431 D6.A
NetM1_15: M1.15 Q6.3 | length 22.9
  Top Layer w0.254: Q6.3 -8.631,13.975 -8.052,14.554 -3.734,14.554 3.302,21.59 7.137,21.59 7.544,21.184 7.544,19.67 M1.15
NetM1_18: M1.18 R5.1 | length 4.7
  Top Layer w0.254: R5.1 -0.119,12.903 1.88,14.902 M1.18
NetM1_30: M1.30 Q4.2 | length 3.6
  Top Layer w0.254: Q4.2@8.118,-3.612 8.711,-3.019 M1.30
NetM1_34: M1.34 Q5.2 | length 3.4
  Top Layer w0.254: M1.34 13.299,-0.486 Q5.2
NetM1_39: M1.39 R12.1 | length 4.3
  Top Layer w0.254: R12.1 19.211,-2.396 M1.39
NetM1_40: M1.40 R14.1 | length 3.9
  Top Layer w0.254: R14.1 20.311,-3.358 M1.40
NetM1_41: M1.41 R13.1 | length 3.8
  Top Layer w0.254: M1.41 21.411,-3.59 R13.1
NetP2_2: P2.2 R27.1 | length 5.2
  Top Layer w0.254: R27.1 44.699,7.422 P2.2 45.314,6.807
NetP2_3: P2.3 R26.1 | length 3.1
  Top Layer w0.254: R26.1@43.772,8.852 45.809,8.852 P2.3
NetP2_4: P2.4 R25.1 | length 2.9
  Top Layer w0.254: R25.1 44.001,10.668 P2.4
NetQ1_1: Q1.1 R1.2 R3.2 | length 7.8
  Top Layer w0.254: R3.2 29.964,0.11 R1.2 31.717,0.11 Q1.1
NetQ2_1: Q2.1 R4.2 R6.2 | length 4
  Top Layer w0.254: R4.2 R6.2 31.816,-3.954 Q2.1@31.948,-3.822
NetQ2_3: Q2.3 R3.1 | length 11.7
  Top Layer w0.254: R3.1 25.9,-6.951 26.873,-7.925 31.245,-7.925 Q2.3
NetQ3_1: Q3.1 R5.2 R9.2 | length 8.5
  Top Layer w0.254: Q3.1 -6.645,13.142 -5.766,14.021 -3.632,14.021 -0.119,10.508 R9.2
NetQ4_1: Q4.1 R8.2 | length 6.4
  Top Layer w0.254: R8.2 3.89,-4.618 8.783,-4.618 Q4.1
NetQ4_3: Q4.3 U2.17 | length 5.3
  Top Layer w0.254: Q4.3 9.27,-6.543 11.318,-6.543 11.901,-7.125 U2.17@11.901,-8.93
NetQ5_1: Q5.1 R11.1 | length 15.5
  Top Layer w0.254: R11.1 v1@4.885,-6.536 ; v1(15.062,-2.388) 15.199,-2.525 Q5.1
  Bottom Layer w0.254: v1(4.801,-6.502) 13.157,-6.502 15.011,-4.648 v1@15.011,-2.489
NetQ5_3: Q5.3 U2.14 | length 3.2
  Top Layer w0.254: U2.14@13.401,-8.93 13.401,-6.996 14.249,-6.147 Q5.3
NetQ6_1: Q6.1 R15.2 R16.2 | length 34.1
  Top Layer w0.254: R16.2 -13.107,13.142 Q6.1 ; R15.2 v1(11.582,-2.616)
  Bottom Layer w0.254: v1(-12.167,13.157) -7.633,8.623 -2.134,3.124 5.842,3.124 v1(11.582,-2.616)
NetR4_1: R4.1 U2.16 | length 21.7
  Top Layer w0.254: v1@12.401,-11.201 U2.16 U2.16@12.401,-8.93 ; v1@27.961,-7.112 R4.1
  Bottom Layer w0.254: v1(12.395,-11.201) 18.009,-11.201 20.117,-9.093 27.069,-9.093 27.94,-8.222 27.94,-7.188 v1(27.915,-7.163)
NetR12_2: R12.2 SIM1.4 SIM2.7 U1.6 | length 61.6
  Top Layer w0.254: R12.2 17.653,-8.077 20.041,-10.465 26.314,-10.465 27.026,-11.176 27.026,-14.402 32.791,-20.168 SIM1.4 ; v1(31.521,-10.922) 36.747,-10.922 39.7,-7.968 39.7,-5.563 v1@41.072,-4.191 ; v1@41.148,-4.115 43.84,-4.115 44.022,-4.296 SIM2.7 ; U1.6 46.624,-0.772 v1(46.914,-0.483)
  Bottom Layer w0.254: v1@27.127,-14.529 27.127,-14.249 30.48,-10.897 31.496,-10.897 v1(31.521,-10.922) ; v1(41.046,-4.166) 40.97,-4.089 40.97,-1.778 41.554,-1.194 46.228,-1.194 v1@46.914,-0.508
  other v1: 27.076,-14.402
NetR13_2: R13.2 SIM1.6 SIM2.6 U1.4 | length 50
  Top Layer w0.254: R13.2 21.776,-7.959 23.266,-9.449 26.735,-9.449 27.795,-10.508 28.55,-11.263 28.55,-13.97 35.331,-20.752 SIM1.6 ; v1(30.861,-10.16) 36.652,-10.16 39.192,-7.62 39.192,-5.057 41.099,-3.15 45.292,-3.15 ; SIM2.6 45.292,-3.15 ; U1.4 45.292,-2.073 45.292,-3.15
  Bottom Layer w0.254: v1(28.524,-11.862) 30.226,-10.16 v1(30.861,-10.16)
NetR14_2: R14.2 SIM1.5 SIM2.3 U1.5 | length 60.6
  Top Layer w0.254: R14.2 19.715,-8.335 21.336,-9.957 26.525,-9.957 27.584,-11.016 27.711,-11.143 27.711,-13.97 34.061,-20.32 SIM1.5 ; v1(34.061,-17.602) 37.516,-17.602 40.818,-14.3 44.475,-14.3 45.292,-13.484 ; SIM2.3 45.292,-13.484 ; U1.5 47.346,-1.422 47.752,-1.829 47.752,-12.573 46.939,-13.386 45.39,-13.386 45.292,-13.484
  Bottom Layer w0.254: v1(34.036,-21.057) 34.061,-21.031 v1(34.061,-17.602)
NetR15_1: R15.1 U2.15 | length 3.8
  Top Layer w0.254: R15.1 12.901,-7.015 U2.15@12.901,-8.93
NetR17_1: R17.1 SW.1 | length 2.5
  Top Layer w0.254: R17.1 22.123,-13.106 SW.1
NetR20_1: R20.1 U2.20 | length 44.1
  Top Layer w0.254: R20.1 0.508,20.904 v1@0.533,20.879 ; v1@10.389,-8.026 10.401,-8.038 U2.20
  Bottom Layer w0.254: v1(0.508,20.853) 2.413,20.853 15.773,7.493 15.773,-4.801 12.675,-7.899 v1(10.389,-7.899)
NetR20_2: R20.2 S1.2 | length 3.8
  Top Layer w0.254: R20.2 0.754,25.502 1.141,25.502 2.438,26.799 2.438,27.777 S1.2
NetR21_1: R21.1 U2.21 | length 69.2
  Top Layer w0.254: v1@9.901,-11.552 U2.21 ; v1@29.261,20.853 29.464,21.057 R21.1
  Bottom Layer w0.254: v1(9.906,-11.532) 9.906,-11.201 10.587,-10.52 17.971,-10.52 19.944,-8.547 26.733,-8.547 27.234,-8.047 27.234,-6.881 27.633,-6.482 38.095,-6.482 38.816,-5.761 38.816,-3.412 39.37,-2.858 39.37,11.176 35.712,14.834 33.96,14.834 29.21,19.583 v1(29.21,20.828)
NetR21_2: R21.2 S2.2 | length 5.4
  Top Layer w0.254: S2.2 29.464,28.251 R21.2 R21.2@29.464,25.409
NetR22_1: R22.1 U2.36 | length 3.3
  Top Layer w0.254: R22.1 3.938,-16.364 U2.36
NetR23_2: R23.2 RT1.2 U2.6 | length 40.7
  Top Layer w0.254: U2.6 17.073,-13.864 17.399,-13.538 v1(17.399,-12.548) ; v1(34.874,-7.442) 37.719,-7.442 38.1,-7.061 38.1,-4.318 41.386,-1.032 41.386,3.101 R23.2 RT1.2
  Bottom Layer w0.254: v1(17.399,-12.548) 20.345,-9.601 27.28,-9.601 29.108,-7.772 34.544,-7.772 v1(34.874,-7.442)
NetR24_1: R24.1 U2.35 | length 3.7
  Top Layer w0.254: R24.1@3.912,-14.554 5.222,-15.864 U2.35
NetR25_2: R25.2 U2.47 | length 56
  Top Layer w0.254: U2.47@13.401,-17.13 U2.47 13.401,-18.963 v1@13.945,-19.507 ; v1(40.462,10.82) 40.538,10.897 R25.2
  Bottom Layer w0.254: v1(13.97,-19.507) 15.083,-18.394 19.248,-18.394 20.523,-17.12 20.523,-11.804 21.418,-10.909 27.598,-10.909 29.591,-8.915 36.736,-8.915 39.324,-6.327 39.324,-3.622 39.878,-3.068 39.878,10.262 v1@40.45,10.833
NetR26_2: R26.2 U2.48 | length 52.1
  Top Layer w0.254: U2.48 14.485,-17.714 v1@15.85,-19.079 ; v1@40.767,8.839 40.78,8.852 R26.2@42.232,8.852
  Bottom Layer w0.254: v1@15.875,-19.101 19.482,-19.101 21.031,-17.551 21.031,-12.014 21.629,-11.417 28.006,-11.417 29.974,-9.449 36.921,-9.449 39.832,-6.537 39.832,-3.833 40.386,-3.279 40.386,8.458 v1@40.742,8.814
  other v1: 15.85,-19.075 40.792,8.839
NetR28_1: R28.1 U2.32 | length 4.3
  Top Layer w0.254: R28.1 4.915,-13.602 ; 5.093,-13.78 4.915,-13.602 ; U2.32 5.677,-14.364 4.915,-13.602
NetR28_2: R28.2 S3.2 | length 8.7
  Top Layer w0.254: S3.2 0.813,-20.299 0.813,-13.97 R28.2
NetU2_3: U2.3
NetU2_4: U2.4
NetU2_7: U2.7
NetU2_8: U2.8
NetU2_19: U2.19
NetU2_22: U2.22
NetU2_23: U2.23
NetU2_24: U2.24
NetU2_25: U2.25
NetU2_26: U2.26
NetU2_27: U2.27
NetU2_28: U2.28
NetU2_29: U2.29
NetU2_30: U2.30
NetU2_31: U2.31
NetU2_33: U2.33
NetU2_34: U2.34
NetU2_37: U2.37
NetU2_38: U2.38
NetU2_41: U2.41
NetU2_42: U2.42
NetU2_43: U2.43
NetU2_46: U2.46
NRST: C10.2 R18.1 SW.3 U2.2 | length 12
  Top Layer w0.254: U2.2 16.728,-15.864 17.628,-16.764 17.628,-18.466 18.034,-18.872 20.455,-18.872 ; C10.2 20.455,-18.872 ; SW.3 20.489,-17.628 R18.1 20.455,-18.872
SWIM: SW.4 U2.1 | length 12.3
  Top Layer w0.254: U2.1 16.491,-16.364 16.815,-16.688 16.815,-20.599 17.628,-21.412 21.438,-21.412 SW.4
VCC: C13.2 C14.1 C15.1 C16.1 D3.2 D4.2 Q1.2 R1.1 R17.2 R18.2 R19.2 R27.2 S1.1 S2.1 S3.1 U2.10 U2.11 U2.12 U2.13 U2.39 | length 214.5
  Top Layer w0.254: D4.2@-17.424,-2.379 D4.2@-17.323,-2.481 ; -8.124,5.889 -8.077,5.842 ; v1@1.54,26.848 v1(1.524,26.848) ; v1@1.549,26.857 1.549,26.848 v1(1.524,26.848) ; S1.1 1.524,29.064 v1(1.524,26.848) ; S3.1 2.931,-20.005 v1@3.429,-19.507 ; v1@6.477,-17.526 8.255,-19.304 9.042,-19.304 9.401,-18.946 U2.39@9.401,-17.13 ; U2.13 14.178,-9.792 17.412,-9.792 18.484,-10.864 ; U2.10 18.892,-11.864 ; U2.11 18.799,-11.364 18.915,-11.481 ; U2.12 18.484,-10.864 ; R18.2 R17.2 18.915,-11.481 ; v1(25.603,22.276) 26.808,23.481 26.808,26.203 27.34,26.735 27.34,27.789 S2.1 ; v1@33.152,-2.764 34.02,-3.632 37.846,-3.632 40.488,-0.991 40.488,5.613 40.488,6.477 41.432,7.422 R27.2 ; 18.484,-10.864 18.915,-11.295 18.915,-11.481
  Top Layer w0.508: D4.2@-17.323,-2.481 v1@-17.323,-0.787 ; C15.1 -8.124,5.889 ; R19.2 -8.077,6.806 -8.077,5.842 D3.2 -5.358,3.302 C14.1 -1.684,3.829 -1.684,5.131 -2.794,5.131 v1(-3.073,5.41) ; R1.1 30.162,-1.569 31.948,-1.569 v1(33.147,-2.769)
  Bottom Layer w0.254: v1@-3.099,5.41 -5.004,7.315 -5.004,13.868 -0.584,18.288 -0.584,20.724 0.459,21.768 4.547,21.768 9.246,17.069 20.396,17.069 v1(25.603,22.276) ; 1.524,21.793 v1(1.524,26.848) ; v1(3.48,-19.456) 5.436,-17.501 v1(6.477,-17.501) 17.907,-17.501 v1(18.923,-16.485)
  Bottom Layer w0.508: v1(-17.348,-0.737) -10.693,5.918 v1@-9.982,5.918 ; v1(-5.715,3.353) -5.715,0.686 -2.946,-2.083 1.016,-2.083 2.87,-3.937 2.87,-6.731 5.944,-9.804 17.399,-9.804 19.304,-7.899 25.273,-7.899 26.34,-6.833 26.34,-5.156 28.727,-2.769 v1(33.147,-2.769)
  other v1: 15.646,-9.83 -9.982,5.893
pads on no net: M1.1 M1.3 M1.4 M1.5 M1.6 M1.7 M1.8 M1.9 M1.10 M1.11 M1.12 M1.13 M1.14 M1.16 M1.17 M1.19 M1.20 M1.21 M1.22 M1.23 M1.24 M1.25 M1.27 M1.28 M1.31 M1.32 M1.33 M1.35 M1.36 M1.37 M1.44 M1.49 M1.50 M1.55 M1.56 M1.57 M1.58 M1.67 M1.68 M1.69 M1.70 M1.75 M1.76 M1.77 M1.78 M1.79 M1.80 M1.84 M1.85 M1.86 M1.87 M1.88 M1.89 M1.90 M1.91 SIM1.0 SIM1.3 SIM2.2 SIM2.4 SIM2.5 U1.1

## Polygon pours and split planes (outlines as drawn)
GND on Top Layer "Top Layer-No Net" (hatched 90Degree grid 0 track 0.203, remove dead copper, pour order 1000): -2.616,37.178 47.295,37.178 54.204,30.269 54.204,-31.987 53.417,-32.774 3.887,-32.774 0.661,-29.548 -0.635,-29.548 -25.501,-4.682 -25.501,26.129 -16.789,34.841
GND on Bottom Layer "Top Layer-No Net" (hatched 90Degree grid 0 track 0.203, remove dead copper, pour order 1001): -3.785,38.608 46.126,38.608 53.035,31.699 53.035,-30.556 52.248,-31.344 2.718,-31.344 -0.508,-28.118 -1.803,-28.118 -26.67,-3.251 -26.67,27.559 -17.958,36.271

## Keep-outs
Keep-Out Layer:
  circle w0.254: c0,0 r0.909
  circle w0.254: c29.997,16.002 r0.895
  circle w0.254: c0,16.002 r0.885
  lines w0.127: 5.664,32.004 5.664,30.759 5.715,30.709 ; 24.613,30.759 24.613,32.029
  lines w0.152: -19.571,11.027 -14.571,16.027 -4.089,16.027 -1.549,18.567 -1.549,23.089 -2.946,24.486 ; -19.558,-2.715 -19.558,11.031 ; -19.059,-3.672 -0.979,-3.672 ; -2.946,25.959 3.099,32.004 ; 0,-23.19 0,-4.672 ; 0.81,-24 40.11,-24 ; 3.124,32.013 5.631,32.013 ; 24.631,32.064 26.873,32.064 ; 26.86,32.067 33.045,25.883 ; 33.045,24.486 31.521,22.962 31.521,18.491 34.011,16.002 44.619,16.002 49.619,11.002 49.619,-14.174 ; 41,-23.11 41,-16 ; 42,-15 48.87,-15
  lines w0.254: -19.595,-2.679 ccw(c-18.595,-2.679) -18.595,-3.679 ; -2.921,24.427 cw(c-2.317,25.224) -2.812,26.093 ; -0.979,-3.672 cw(c-0.979,-4.672) 0.021,-4.672 ; -0.037,-22.999 ccw(c0.963,-22.999) 0.963,-23.999 ; 0.611,15.34 cw(c0,16) 0.636,15.364 ; 0.9,-0.025 cw(c0,0) 0.9,0 ; 5.631,31.013 ccw(c15.131,31.013) 24.631,31.013 ; 30.589,15.32 cw(c30,16) 30.611,15.339 ; 32.835,26.093 cw(c32.34,25.224) 32.943,24.427 ; 40.017,-23.989 ccw(c40.017,-22.989) 41.017,-22.989 ; 41,-16 cw(c42,-16) 42,-15 ; 48.627,-15.023 ccw(c48.627,-14.023) 49.627,-14.023

## Other copper
Top Layer:
  rectangle: 42.596,-11.582 42.926,-9.601

## Silkscreen, mask and mechanical layers (free items; w line width, h text height)
Top Overlay:
  circle w0.254: c37.363,-1.727 r1.513
  text "NB-IOT智能远传水表-V1.1" at 28.829,12.573 h1.52
  text "PD:随风飘跃Apr.18Y" at 49.098,-8.636 h1.2 r90
  text "中科物联" at 41.097,-14.503 h1.52